# Altium PCB PCB1.PcbDoc (part 3 of 3)
Units mil, origin at the board's own origin, x right, y up, seen from the top; angles counter-clockwise.
Board outline 4795 x 5413.32 mil, 4 copper layers (Top Layer, GND, PWR, Bottom Layer), stack 13.956 mil thick; 198 components, 204 nets, 874 pads, 430 vias.
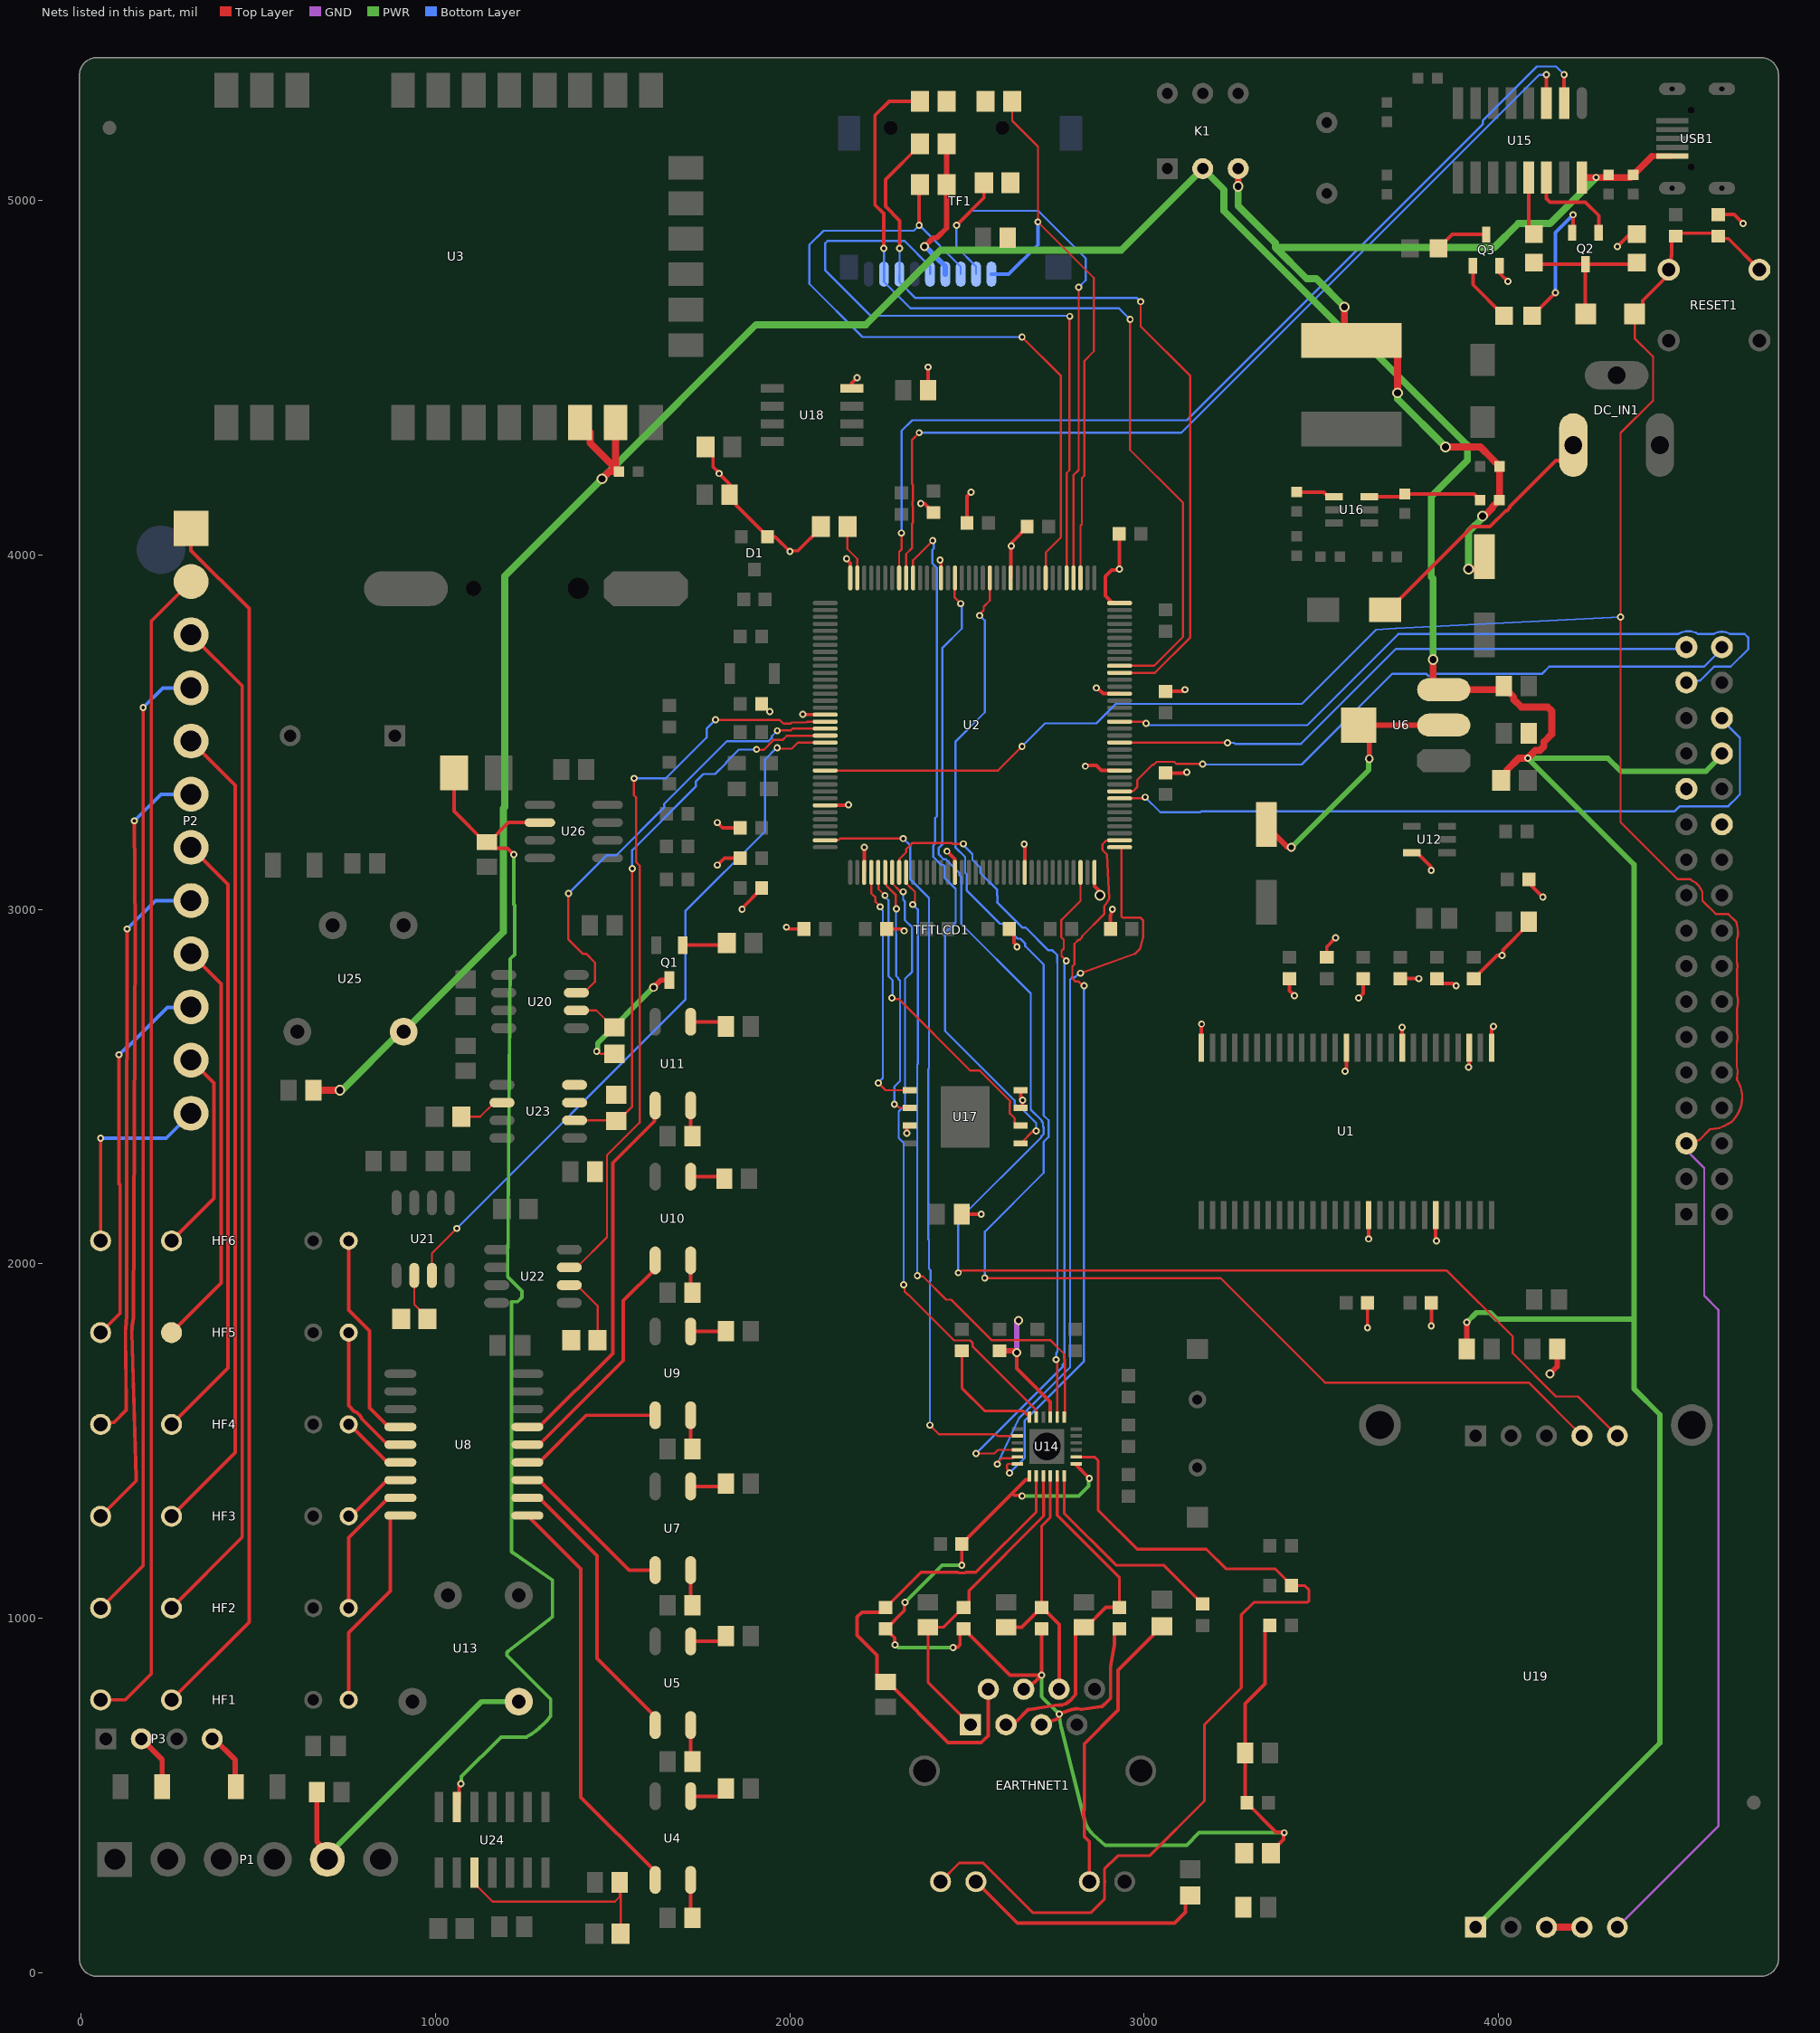
[diagram p5: the nets of this part, all layers, seen from the top]

## Via types
v1: diameter 20, hole 10, Top Layer to Bottom Layer, 249 vias
v2: diameter 20, hole 12, Top Layer to Bottom Layer, 129 vias
v3: diameter 30, hole 20, Top Layer to Bottom Layer, 41 vias
v4: diameter 25, hole 15, Top Layer to Bottom Layer, 10 vias
v5: diameter 20, hole 13, Top Layer to Bottom Layer, 1 vias

## Nets (pads, with @x,y where several pads share a name; then routed paths per layer and width w, separated by ;. In a path a pad name is that pad's centre, name@x,y a point inside that pad or via, vN(x,y) a via of type N, cw(c..) or ccw(c..) an arc to the next point about the centre after c; other vN are vias at no path point) (continued)
NetC75_2: C75.2 R56.2 U24.3 | length 653.4
  Top Layer w6: U24.3@1110,282.48 1110,251.97 1160.89,201.08 1506.08,201.08 1520.04,215.04 1520.04,252.64 C75.2@1520.04,255 1522.4,252.64 1522.4,215.04 R56.2@1522.4,110
NetD3_2: D3.2 Q2.3 R27.1 R32.1 | length 434.7
  Top Layer w10: R32.1@4100,4825 4104.29,4820.71 Q2.3@4245,4820.71 ; D3.2@4246.1,4680 4245,4681.1 Q2.3@4245,4820.71 ; R27.1@4390,4825 4385.71,4820.71 Q2.3@4245,4820.71
NetD4_1: D4.1 DC_IN1.1 | length 731.7
  Top Layer w10: D4.1@3680,3845 3690.83,3845 3925.83,4080 3975.38,4080 4020.53,4125.15 4023.15,4125.15 4031.85,4133.85 4031.85,4136.47 4161.76,4266.38 4178.57,4266.38 4210.91,4298.71 DC_IN1.1@4210.91,4310
NetEARTHNET1_10: EARTHNET1.10 R45.2 | length 704.7
  Top Layer w10: EARTHNET1.10@2525,257.09 2642.09,140 3060,140 3060.69,140.69 3085.69,140.69 3110,165 3115.86,170.86 3115.86,203.46 R45.2@3130,217.6
NetEARTHNET1_11: EARTHNET1.11 R46.2 | length 819.2
  Top Layer w10: EARTHNET1.11@2845,257.09 2845,369.53 2831,383.53 2831,431.76 2830.06,437.89 cw(c2909.96,450) 2830.08,462.22 2831,468.24 2831,646 2926.06,741.06 2926.06,853.66 3026.06,953.66 3026.06,957.01 3046.65,977.6 R46.2@3050,977.6
NetHF1_1: HF1.1 U8.18 | length 593.4
  Top Layer w10: HF1.1@755,770 755,960 872.4,1077.4 872.4,1283.71 878.69,1290 U8.18@900.87,1290
NetHF2_1: HF2.1 U8.17 | length 391
  Top Layer w10: HF2.1@755,1029 755,1227.6 867.4,1340 U8.17@900.87,1340
NetHF3_1: HF3.1 U8.16 | length 188.1
  Top Layer w10: HF3.1@755,1288 761.72,1288 863.72,1390 U8.16@900.87,1390
NetHF4_1: HF4.1 U8.15 | length 190.2
  Top Layer w10: HF4.1@755,1547 757.7,1547 864.7,1440 U8.15@900.87,1440
NetHF5_1: HF5.1 U8.14 | length 398.2
  Top Layer w10: HF5.1@755,1806 755,1600 770.75,1584.25 cw(c755,1547) 792.25,1562.75 865,1490 U8.14@900.87,1490
NetHF6_1: HF6.1 U8.13 | length 605
  Top Layer w10: HF6.1@755,2065 755,1870 813.84,1811.16 813.84,1593.56 867.4,1540 U8.13@900.87,1540
NetP3_2: P3.2 R59.2 | length 159.3
  Top Layer w15: P3.2@170,660 228.66,601.34 R59.2@228.66,525
NetP3_4: P3.4 R58.2 | length 176.9
  Top Layer w15: P3.4@370.94,664.06 435,600 R58.2@435,513.66
NetQ1_1: Q1.1 R10.2 | length 127.6
  Top Layer w10: Q1.1@1697.4,2899.21 1816.81,2899.21 R10.2@1822.6,2905
NetQ2_1: Q2.1 U15.14 | length 275.3
  Top Layer w10: U15.14@4135,5065 4135,5005 4145,4995 4245,4995 4282.4,4957.6 Q2.1@4282.4,4909.29
NetQ2_2: Q2.2 R39.2 | length 384.3
  Top Layer w10: R39.2@4095,4675 v1(4160,4740) ; Q2.2@4207.6,4909.29 4210,4911.69 v1(4210,4960)
  Bottom Layer w10: v1(4160,4740) 4160,4910 v1(4210,4960)
NetQ3_1: Q3.1 R39.1 | length 176.9
  Top Layer w10: Q3.1@3927.6,4815.71 3927.6,4762.4 R39.1@4015,4675
NetQ3_3: Q3.3 R40.2 | length 151.3
  Top Layer w10: R40.2@3830,4865 3869.29,4904.29 Q3.3@3965,4904.29
NetR11_2: R11.2 U4.1 | length 111.4
  Top Layer w10: U4.1@1720,498.11 1802.13,498.11 1819.96,515.94 R11.2@1819.96,520
NetR12_1: R12.1 U4.4 | length 109
  Top Layer w10: U4.4@1720,261.89 1720,160.04 R12.1@1725.04,155
NetR13_2: R13.2 U5.1 | length 106.1
  Top Layer w10: U5.1@1720,935.11 1805.07,935.11 R13.2@1819.96,950
NetR14_1: R14.1 U5.4 | length 105
  Top Layer w10: U5.4@1720,698.89 1720,601.04 R14.1@1725.04,596
NetR15_2: R15.2 U7.1 | length 103.2
  Top Layer w10: U7.1@1720,1372.11 1812.07,1372.11 R15.2@1819.96,1380
NetR16_1: R16.1 U7.4 | length 101
  Top Layer w10: U7.4@1720,1135.89 1720,1042.04 R16.1@1725.04,1037
NetR18_2: R18.2 U9.1 | length 100.3
  Top Layer w10: U9.1@1720,1809.11 1819.07,1809.11 R18.2@1819.96,1810
NetR19_1: R19.1 U9.4 | length 97
  Top Layer w10: U9.4@1720,1572.89 1720,1483.04 R19.1@1725.04,1478
NetR20_2: R20.2 U2.143 | length 141.2
  Top Layer w6: R20.2@2162.4,4065 2162.4,4016.82 2190.2,3989.03 U2.143@2190.2,3935.35
NetR22_2: R22.2 U10.1 | length 102.5
  Top Layer w10: U10.1@1720,2246.11 1813.85,2246.11 R22.2@1819.96,2240
NetR23_1: R23.1 U10.4 | length 93
  Top Layer w10: U10.4@1720,2009.89 1720,1924.04 R23.1@1725.04,1919
NetR24_2: R24.2 U11.1 | length 105.4
  Top Layer w10: U11.1@1720,2683.11 1806.85,2683.11 R24.2@1819.96,2670
NetR25_1: R25.1 U11.4 | length 89
  Top Layer w10: U11.4@1720,2446.89 1720,2365.04 R25.1@1725.04,2360
NetR26_2: R26.2 U20.2 | length 127.4
  Top Layer w6: U20.2@1397.36,2715 1454.06,2715 1501.65,2667.4 R26.2@1505,2667.4
NetR28_2: R28.2 U14.12 | length 329.6
  Top Layer w8: R28.2@2485,1754.68 2485.29,1754.39 2485.29,1649.71 2550,1585 2658.51,1585 U14.12@2675.79,1567.72
NetR32_2: R32.2 U15.13 | length 166.2
  Top Layer w10: U15.13@4085,5065 4085,4920 R32.2@4100,4905
NetR35_1: R35.1 R41.2 U16.3 | length 322.5
  Top Layer w10: U16.3@3635,4164.8 3727.8,4164.8 R35.1@3735,4172 3930.56,4172 R41.2@3947.5,4155.06
NetR36_2: R36.2 U16.4 | length 110.2
  Top Layer w10: R36.2@3430.06,4177.5 3507.3,4177.5 3520,4164.8 U16.4@3535,4164.8
NetR42_2: R42.2 U14.24 | length 603.1
  Top Layer w8: U14.24@2774.21,1402.28 2774.21,1295.79 2920,1150 3054.33,1150 3164.02,1040.32 R42.2@3165,1040.32
NetR49_2: R49.2 U21.2 | length 138.1
  Top Layer w6: U21.2@940,1967.64 940,1885.75 977.4,1848.35 R49.2@977.4,1845
NetR51_2: R51.2 U22.2 | length 200.8
  Top Layer w6: U22.2@1377.36,1940 1399.02,1940 1457.4,1881.61 R51.2@1457.4,1785
NetR53_2: R53.2 U23.2 | length 131.8
  Top Layer w6: R53.2@1072.4,2415 1125.98,2415 1165.98,2455 U23.2@1187.64,2455
NetU4_3: U4.3 U8.1 | length 1177.6
  Top Layer w10: U8.1@1259.13,1290 1410,1139.13 1410,495.51 1620,285.51 U4.3@1620,261.89
NetU5_3: U5.3 U8.2 | length 810.2
  Top Layer w10: U8.2@1259.13,1340 1292.6,1340 1455.55,1177.05 1455.55,886.97 1620,722.51 U5.3@1620,698.89
NetU7_3: U7.3 U8.3 | length 466.1
  Top Layer w10: U8.3@1259.13,1390 1292.6,1390 1546.71,1135.89 U7.3@1620,1135.89
NetU8_4: U8.4 U9.3 | length 415.9
  Top Layer w10: U8.4@1259.13,1440 1292.6,1440 1425.49,1572.89 U9.3@1620,1572.89
NetU8_5: U8.5 U10.3 | length 689
  Top Layer w10: U8.5@1259.13,1490 1292.6,1490 1530,1727.4 1530,1896.27 1620,1986.27 U10.3@1620,2009.89
NetU8_6: U8.6 U11.3 | length 1076
  Top Layer w10: U8.6@1259.13,1540 1292.6,1540 1500,1747.4 1500,2285 1617.39,2402.39 1617.39,2444.28 U11.3@1620,2446.89
REF-4.096V: C80.1 C81.2 U24.13 U26.6 | length 3557.2
  Top Layer w10: C80.1@1052.01,3385 1052.01,3276.93 1138.9,3190.04 C81.2@1145,3190.04 1151.1,3190.04 1206.06,3245 U26.6@1294.53,3245 ; U24.13@1060,467.52 1066.81,474.33 1066.81,526.25 1071.43,530.86 v1(1071.43,533.57) ; C81.2@1148.05,3186.99 1162.83,3172.2 1196.85,3172.2 1197.62,3171.43 1204.7,3171.43 v1(1221.13,3155)
  PWR w6: 1211,2859.78 ccw(c1185,2860) 1210.99,2860.6
  PWR w10: v1(1071.43,533.57) 1073.34,535.48 1073.34,553.34 1185,665 1256.57,665 ccw(c1146.53,861.88) 1325,723.97 1325,771.57 1201.42,895.15 1201.42,903.44 1204.79,906.81 1205.29,907.19 1307.71,986.69 ccw(c630.96,1858.63) 1330,1004.45 1330,1107.75 1218.57,1184.64 1217.93,1185.28 1215,1188.21 1215,1893.28 1231.83,1893.28 1244.13,1905.58 1244.13,1922.98 1205.38,1961.72 1203.63,1963.48 1203.63,1968.45 1211,2859.78 ; 1210.99,2860.6 1223.62,2873.23 1223.62,3011.51 1221.13,3014.01 v1(1221.13,3155)
Relay1+: HF1.3 P2.1 | length 3463.9
  Top Layer w10: HF1.3@255,770 474.25,989.25 474.25,3848.73 310,4012.98 P2.1@310,4075
Relay1-: HF1.4 P2.2 | length 3301.6
  Top Layer w10: HF1.4@55,770 125,770 198,843 198,3813 P2.2@310,3925
Relay2+: HF2.3 P2.3 | length 2888.4
  Top Layer w10: HF2.3@255,1029 454.4,1228.4 454.4,3630.6 P2.3@310,3775
Relay2-: HF2.4 P2.4 | length 2748.5
  Top Layer w10: HF2.4@55,1029 175,1149 v1(175,3570)
  Bottom Layer w10: v1(175,3570) 230,3625 P2.4@310,3625
Relay3+: HF3.3 P2.5 | length 2313
  Top Layer w10: HF3.3@255,1288 434.55,1467.55 434.55,3350.45 P2.5@310,3475
Relay3-: HF3.4 P2.6 | length 2195
  Top Layer w10: HF3.4@55,1288 152.07,1385.07 155,1388 155,1396.28 143.14,1807.76 cw(c225,1810.12) 144.06,1822.63 148,1848.09 153,2920.47 153,2939.53 v1(150,3250)
  Bottom Layer w10: v1(150,3250) 225,3325 P2.6@310,3325
Relay4+: HF4.3 P2.7 | length 1737.5
  Top Layer w10: HF4.3@255,1547 414.7,1706.7 414.7,3070.3 P2.7@310,3175
Relay4-: HF4.4 P2.8 | length 1660.8
  Top Layer w10: HF4.4@55,1547 60.49,1552.49 92.49,1552.49 127.07,1587.07 127.07,1595.36 125.13,1807.93 cw(c225,1810.12) 125.37,1817.37 128,1853.54 128,2575.47 130,2577.47 130,2944.95 v1(129.95,2945)
  Bottom Layer w10: v1(129.95,2945) 209.95,3025 P2.8@310,3025
Relay5+: HF5.3 P2.9 | length 1162.1
  Top Layer w10: HF5.3@255,1806 394.85,1945.85 394.85,2790.15 P2.9@310,2875
Relay5-: HF5.4 P2.10 | length 1066.9
  Top Layer w10: HF5.4@55,1806 110,1861 110,2222.65 107,2225.65 v1(107,2590)
  Bottom Layer w10: v1(107,2590) 126.71,2609.71 129.71,2609.71 243.08,2723.08 308.08,2723.08 P2.10@310,2725
Relay6+: HF6.3 P2.11 | length 586.6
  Top Layer w10: HF6.3@255,2065 375,2185 375,2510 P2.11@310,2575
Relay6-: HF6.4 P2.12 | length 574
  Top Layer w10: HF6.4@55,2065 v1(55,2355)
  Bottom Layer w10: v1(55,2355) 240,2355 P2.12@310,2425
RESET: C35.1 D3.1 R21.1 RESET1.1 TFTLCD1.5 U2.25 U19.5@4335,128.41 | length 7999.3
  Top Layer w6: U2.25@2099.65,3392.05 2587.05,3392.05 v1(2655,3460) ; D3.1@4383.9,4680 4383.9,4611.1 4435.8,4559.2 4435.8,4435.8 4344,4344 v1(4344,3825) 4344,3246 4504.75,3085.25 4541.76,3085.25 4545.47,3081.55 4546.31,3080.7 cw(c4530,3040) 4568.29,3061.36 4575,3049.4 4575,3025 4613,2987 4648,2987 4669.43,2965.57 4670.7,2964.3 4671.07,2962.53 4674.72,2944.79 cw(c4631.76,2936) 4675.55,2933.67 cw(c4598.95,2937.75) 4672,2914.35 4672,2853.45 4672.82,2849.47 4672.93,2848.93 cw(c4630,2840) 4672.85,2830.7 4672.85,2760.65 4673.69,2755.65 cw(c4580.63,2740) 4673.69,2724.35 4672.85,2719.34 4672.85,2649.3 cw(c4630,2640) 4673.53,2634.73 4672.87,2629.16 cw(c4653.27,2627.55) 4672,2621.55 4672,2557.91 4674.65,2545.05 4674.65,2544.21 4674.63,2543.99 4673.09,2523.06 4673.09,2520.55 4673.09,2518.82 cw(c4597.17,2470.17) 4674.23,2423.36 4667.48,2412.23 cw(c4630,2435) 4650.14,2396.05 4638.58,2390.07 cw(c4597.17,2470.17) 4597.12,2380 ; TFTLCD1.5@4530,2340 4538.75,2348.75 4565.82,2348.75 4597.07,2380
  Top Layer w10: D3.1@4383.9,4680 4406.53,4702.63 4406.53,4717.63 4480,4791.1 RESET1.1@4480,4805 4486.6,4811.6 4486.6,4843.46 4488.2,4845.06 4488.2,4887.88 4508.2,4907.88 4611.8,4907.88 4627.21,4892.47 4648.43,4892.47 RESET1.1@4735.91,4805
  GND w6: v1(4335,128.41) 4620,413.41 4620,1870.44 4580,1910.44 4580,2270.18 4530,2320.18 TFTLCD1.5@4530,2335
  Bottom Layer w6: v1(2655,3460) 2720,3525 2865,3525 2920,3580 3445,3580 3654.24,3789.24 3710.44,3792.85 v1(4344,3825)
RMII-CRS-DV: U2.43 U14.11 | length 1768.5
  Top Layer w6: U2.43@2288.62,3104.65 2288.62,3073.72 2309.97,3052.38 2317.02,3052.38 v1(2319.7,3049.7) ; v1(2321.04,1941.04) 2323.72,1938.36 2323.72,1922.1 2331.86,1913.96 2333.2,1913.96 2463.17,1783.99 2508.85,1783.99 2515.29,1777.55 2515.29,1767.27 2693.71,1588.86 2693.71,1586.29 2695.47,1584.53 U14.11@2695.47,1567.72
  Bottom Layer w6: v1(2319.7,3049.7) 2319.7,3027.41 2323.85,3023.26 2323.85,2970.36 2345.07,2949.14 2345.07,2824.57 2325,2804.5 2325,2447.69 2307.15,2429.84 2307.15,2355.16 2321.04,2341.28 v1(2321.04,1941.04)
RMII-REF-CLK: U2.35 U14.14 | length 2171.3
  Top Layer w6: U2.35@2099.65,3195.2 2100.43,3195.98 2137,3195.98 2141.03,3200 v1(2320,3200) ; v1(2395,1545) 2420.68,1519.32 2581.19,1519.32 2585.98,1514.53 U14.14@2642.28,1514.53
  Bottom Layer w6: v1(2320,3200) 2340,3180 2340,3085 2392.62,3032.38 2392.62,2551.69 2390.9,2549.97 2390.9,2069.29 2392.62,2067.57 2392.62,1986.2 2396.85,1981.97 2396.85,1952.98 2395,1951.13 v1(2395,1545)
RMII-RXD0: U2.44 U14.8 | length 1985.8
  Top Layer w6: U2.44@2308.31,3104.65 2309.09,3105.43 2309.09,3142.12 2328.07,3161.1 2328.07,3170.1 2345.08,3187.11 2457.4,3187.11 2459.52,3185 v1(2489.7,3185) ; v1(2751.57,1729.9) 2754.16,1727.31 2754.16,1568.09 U14.8@2754.53,1567.72
  Bottom Layer w6: v1(2489.7,3185) 2489.7,3181.3 2515,3156 2515,3140 2537.5,3117.5 2537.5,3102.5 2585,3055 2585,3039.5 2585.9,3038.6 2585.9,3021.2 2585,3020.3 2585,3019.8 2655.8,2949 2665.3,2949 2729.78,2884.52 2740.89,2884.52 2754.27,2871.13 2754.27,2850.73 2755,2850 2755,1751.9 2752,1748.9 2752,1730.33 v1(2751.57,1729.9)
RMII-RXD1: U2.45 U14.7 | length 1843.3
  Top Layer w6: U2.45@2327.99,3104.65 2327.99,3073.72 2341.5,3060.21 2342.1,3060.21 2352.85,3049.46 2352.85,3023.73 2346.7,3017.58 v1(2346.7,3013.79) ; v1(2359.9,1966.8) 2361.84,1964.87 2375.13,1964.87 2441,1899 2454.83,1899 2568.83,1785 2735,1785 2774.71,1745.29 2774.71,1731.82 2776,1730.53 2776,1569.51 U14.7@2774.21,1567.72
  Bottom Layer w6: v1(2346.7,3013.79) 2360.92,2999.58 2360.92,2564.82 2359.2,2563.1 2359.2,1967.51 v1(2359.9,1966.8)
RMII-TX-EN: U2.70 U14.16 | length 1900.7
  Top Layer w6: v1(2525,1465) 2577,1465 2587.16,1475.16 U14.16@2642.28,1475.16 ; v1(2780,2855) 2766.35,2868.65 2766.35,2882.68 2772.89,2889.22 2772.89,2914.27 2766.01,2921.15 2766.01,2970.13 2820.12,3024.24 U2.70@2820.12,3104.65
  Bottom Layer w6: v1(2525,1465) 2575.02,1515.02 2770,1710 2770,1716.39 2774.8,1721.19 2774.8,1738.59 2774.44,1738.94 2774.44,2845.66 2780,2851.21 v1(2780,2855)
RMII-TXD0: U2.73 U14.17 | length 2075.8
  Top Layer w6: v1(2585,1435) 2585,1438.79 2597.85,1451.64 2627.61,1451.64 2631.45,1455.47 U14.17@2642.28,1455.47 ; v1(2820,2820) 2974.21,2875.05 2987.6,2888.43 2996.47,2920.39 2996.47,2969.61 2988.94,2977.14 2938.99,2977.14 2935.47,2980.66 2935.47,2983.31 2935.47,3175.51 U2.73@2930.35,3175.51
  Bottom Layer w6: v1(2585,1435) 2646.94,1564.52 2790.65,1708.23 2790.65,2801.74 2797.51,2808.6 2804.82,2808.6 2816.21,2820 v1(2820,2820)
RMII-TXD1: U2.74 U14.18 | length 2039.8
  Top Layer w6: v1(2620,1410) 2620,1413.79 2612.52,1421.27 2612.52,1432.27 2616.04,1435.79 U14.18@2642.28,1435.79 ; v1(2830,2785) 2826.21,2785 2814.74,2796.47 2806.36,2796.47 2797.15,2805.69 2797.15,2839.84 2802.85,2845.54 2802.85,2902.85 2814.71,2914.71 2818.18,2914.71 2824.62,2921.15 2824.62,2924.62 2885.45,2985.45 2887.15,2987.15 2887.15,3009.46 2897.41,3023.74 ccw(c2874.79,3039.99) 2901.26,3031.34 2895.01,3154.59 2893.38,3156.22 2881.92,3167.68 2881.92,3183.34 2893,3194.42 U2.74@2930.34,3195.2
  Bottom Layer w6: v1(2620,1410) 2662.79,1452.79 2662.79,1557.96 2830,1725.17 v1(2830,2785)
SDIO-CLK: TF1.5 U2.113 | length 1912.1
  Top Layer w6: U2.113@2780.75,3935.35 2781,3935.61 2781,4231.25 2789,4239.25 2789,4672.15 v1(2790,4673.15)
  Bottom Layer w6: TF1.5@2395.47,4792.36 2395.47,4814.02 2323.49,4886 2106,4886 2100,4880 2100,4802.59 2227.59,4675 2788.15,4675 v1(2790,4673.15)
SDIO-CMD: R2.1 TF1.3 U2.116 | length 2150.1
  Top Layer w6: v1(2655,4615) 2765,4505 2765,4050 2722.47,4007.47 2722.47,3936.13 U2.116@2721.69,3935.35
  Top Layer w10: v1(2365,4930) 2365,5042.4 R2.1@2367.6,5045
  Bottom Layer w6: v1(2365,4930) 2350,4915 2095,4915 2055,4875 2055,4764.82 2204.82,4615 v1(2655,4615) ; v1@2365.55,4930 2482.09,4813.46 TF1.3@2482.09,4792.36
SDIO-D0: R6.1 TF1.7 U2.98 | length 2397.4
  Top Layer w6: U2.98@2930.35,3667.64 3030.05,3667.64 3130,3767.58 3130,4505 2990,4645 v1(2990,4715)
  Top Layer w10: v1(2310,4865) 2310,4943.38 2270,4983.38 2270,5059.06 2367.6,5156.65 R6.1@2367.6,5160
  Bottom Layer w6: v1(2310,4865) 2309.43,4864.43 2309.43,4792.93 TF1.7@2308.86,4792.36 2308.86,4770.71 2354.57,4725 2979.49,4725 2989.49,4715 v1(2990,4715)
SDIO-D1: R5.1 TF1.8 U2.99 | length 2532.5
  Top Layer w6: U2.99@2930.35,3687.32 3027.32,3687.32 3109,3769 3109,4147.61 2960,4296.61 v1(2960,4665)
  Top Layer w10: v1(2265,4865) 2265,4962.92 2240,4987.92 2240,5240 2280,5280 R5.1@2367.6,5280
  Bottom Layer w6: v1(2265,4865) 2265.28,4864.72 2265.28,4792.64 TF1.8@2265.55,4792.36 2265.55,4770.71 2340.26,4696 2929,4696 v1(2960,4665)
SDIO-D2: R4.1 TF1.1 U2.111 | length 1680.9
  Top Layer w6: R4.1@2627.4,5280 2627.4,5224.77 2700,5152.17 v1@2700,4945 ; v1(2699.63,4939.76) 2858,4781.39 2858,4574.63 2830.85,4547.48 2830.85,4223.52 2823.9,4216.58 2823.9,4086.43 2820,4082.53 U2.111@2820,3935.35
  Bottom Layer w10: TF1.1@2568.7,4792.36 2617.36,4792.36 2699.63,4874.63 v1(2699.63,4939.76)
SDIO-D3: R3.1 TF1.2 U2.112 | length 1666.2
  Top Layer w6: U2.112@2800.43,3935.35 2800.43,4056.11 2800.35,4056.19 2800.35,4088.34 2800.43,4088.42 2800.43,4225.43 2815,4240 v1(2815,4755)
  Top Layer w10: v1(2470,4930) 2547.6,5007.6 R3.1@2547.6,5050
  Bottom Layer w6: TF1.2@2525.39,4792.36 2525.39,4814.02 2470,4869.41 v1(2470,4930) 2511,4971 2700.91,4971 2835,4836.91 2835,4775 v1(2815,4755)
SPEED-LED: EARTHNET1.9 R38.1 U14.2 | length 2706.2
  Top Layer w8: EARTHNET1.9@2425.16,257.09 2478.07,310 2545,310 2685,170 2850,170 2887.53,207.53 2887.53,247.78 2888.01,251.44 ccw(c2845,257.09) 2888.01,262.74 2887.53,266.39 2887.53,292.53 2925,330 3015,330 3170,485 3170,700 3274,804 3274,1009.8 3309.2,1045 3460.31,1045 3465,1049.69 3465,1080 3452.5,1092.5 R38.1@3415.31,1092.5 3415.31,1093.48 3368.8,1140 3230,1140 3175,1195 2980,1195 2870,1305 2870,1444.93 2860.22,1454.71 2808.49,1454.71 U14.2@2807.72,1455.47
SPI1-CLK: U2.41 U17.6 | length 915.1
  Top Layer w6: U2.41@2249.25,3104.65 2250.36,3103.53 2250.36,3057.25 v1(2268.26,3039.35) ; v1(2288.15,2750) 2290.83,2747.32 2307.04,2747.32 2509.36,2545 2536.07,2545 2621.75,2459.32 2621.75,2454.35 2620.81,2453.41 2620.81,2424.19 2634.81,2410.19 2634.81,2395.86 2640.67,2390 U17.6@2651.5,2390
  Bottom Layer w6: v1(2268.26,3039.35) 2268.26,3035.56 2278.15,3025.68 2278.15,2811.75 2290,2799.9 2290,2751.85 v1(2288.15,2750)
SPI1-MISO: U2.42 U17.2 | length 727.7
  Top Layer w6: U2.42@2268.94,3104.65 2268.94,3073.55 2272.77,3069.71 2272.77,3067.16 2298.32,3041.61 2298.32,3003.98 v1(2301,3001.3) ; v1(2295,2450) 2298.79,2450 2308.79,2440 U17.2@2338.5,2440
  Bottom Layer w6: v1(2295,2450) 2295,2500.3 2311,2516.3 2311,2798.7 2305.85,2803.85 2305.85,2806.46 2300,2812.31 2300,2930.3 2299.37,2930.93 2299.37,2999.67 v1(2301,3001.3)
SPI1-MOSI: U2.135 U17.5 | length 2017.7
  Top Layer w6: U2.135@2347.68,3935.35 2347.68,3984.99 v1(2403.22,4040.54) ; U17.5@2651.5,2340 2686.5,2375 v1(2695,2375)
  Bottom Layer w6: v1(2403.22,4040.54) 2405.9,4037.86 2405.9,4024.26 2406.65,4023.51 2406.65,4018.54 2402.5,4014.39 2402.5,3975.98 2414.77,3963.72 2414.77,3262.87 2410,3258.11 2410,3185.84 2404.45,3180.29 2404.45,3148.23 2427.12,3125.56 2433.49,3125.56 2437,3122.05 2437,3088.5 2467.85,3057.65 2467.85,2963.76 2437.45,2933.36 2437.45,2657.75 2634,2461.2 2634,2451.3 2646.3,2439 2653.58,2439 2695,2397.58 v1(2695,2375)
SPI1-NSS: U2.40 U17.1 | length 710.1
  Top Layer w6: U2.40@2229.57,3104.65 2229.57,3045.73 2241.72,3033.58 2241.72,3021.31 2254.81,3008.22 v1(2254.81,3007.54) ; v1(2250,2510) 2270,2490 U17.1@2338.5,2490
  Bottom Layer w6: v1(2250,2510) 2250,2512.27 2262.3,2524.57 2262.3,2996.26 2254.81,3003.75 v1(2254.81,3007.54)
SPI5-MISO: R54.1 U2.20 U23.6 | length 1593.3
  Top Layer w6: U23.6@1392.36,2405 1507.6,2405 R54.1@1510,2402.6 1513.35,2402.6 1555,2444.25 v1(1555,3115) ; v1(1905.76,3451.55) 1907.31,3450 1926.09,3450 1954.74,3478.65 1980.36,3478.65 1991.4,3489.69 2098.87,3489.69 U2.20@2099.65,3490.47
  Bottom Layer w6: v1(1555,3115) 1555,3167.2 1735,3347.2 1735,3361.49 1755.53,3382.02 1789.22,3382.02 1820,3412.8 1820,3415 1856,3451 1905.21,3451 v1(1905.76,3451.55)
SPI5-MOSI: U2.21 U21.3 | length 2036.3
  Top Layer w6: U21.3@990,1967.64 990,2030 v1(1060,2100) ; v1(1964.2,3455.8) 1966.66,3453.34 2005.05,3453.34 2022.5,3470.79 U2.21@2099.65,3470.79
  Bottom Layer w6: v1(1060,2100) 1705,2745 1705,2995 1930,3220 1930,3423.22 1962.58,3455.8 v1(1964.2,3455.8)
SPI5-NSS: U2.18 U22.3 | length 2111.5
  Top Layer w6: U22.3@1377.36,1990 1399.02,1990 1484,2074.98 1484,2306.51 1576,2398.51 1576,3123.7 1566.48,3133.22 1566.48,3315.51 1560,3321.99 v1(1560,3370) ; v1(1790,3535) 1970.69,3535 1980.84,3524.85 1982.46,3524.85 1983.31,3524 2001.7,3524 2005.31,3527.61 2046.36,3527.61 2048.6,3529.84 2098.87,3529.84 U2.18@2099.65,3529.06
  Bottom Layer w6: v1(1560,3370) 1650,3370 1765,3485 1765,3510 v1(1790,3535)
SPI5-SCK: U2.19 U20.3 | length 1276.9
  Top Layer w6: v1(1375,3045) 1375,2915 1415,2875 1425,2875 1450,2850 1450,2795.98 1419.02,2765 U20.3@1397.36,2765 ; v1(1964.45,3504.07) 1965.92,3505.54 2003.04,3505.54 2007.65,3510.16 U2.19@2099.65,3510.16
  Bottom Layer w6: v1(1375,3045) 1482.62,3152.62 1509.81,3152.62 1644.93,3287.73 1644.93,3297.13 1822.21,3474.4 1939.4,3474.4 1948.89,3483.89 1948.89,3488.51 v1(1964.45,3504.07)
T-CS: TFTLCD1.33 U2.88 | length 1712.2
  Top Layer w6: U2.88@2930.35,3470.79 2930.75,3470.39 v1(3234.61,3470.39)
  Bottom Layer w6: v1(3234.61,3470.39) 3235,3470 3253.61,3470 3256.61,3467 3442,3467 3710,3735 TFTLCD1.33@4530,3735
T-MOSI: TFTLCD1.30 U2.80 | length 2022.4
  Top Layer w6: U2.80@2930.35,3313.31 2990.37,3313.31 2990.89,3313.83 2999.96,3313.83 v1(3002.64,3316.51)
  Bottom Layer w6: v1(3002.64,3316.51) 3045.15,3274 3158.23,3274 3161.31,3277.08 4497.08,3277.08 4511.15,3291.15 4648.16,3291.15 4673.85,3316.84 4673.85,3317.36 4681,3324.51 4681,3484 TFTLCD1.30@4630,3535
T-PEN: TFTLCD1.31 U2.91 | length 2143
  Top Layer w6: U2.91@2930.35,3529.84 2996.37,3529.84 3001.21,3525 v1(3005,3525)
  Bottom Layer w6: v1(3005,3525) 3010,3520 3460,3520 3717,3777 4506.47,3777 cw(c4530,3740) 4517.74,3782.1 4520.68,3782.96 cw(c4535,3733.79) 4562.48,3777 4604.78,3777 4606.47,3777 cw(c4630,3740) 4653.53,3777 4655.22,3777 4694.48,3777 4705,3766.49 4705,3735 4655,3685 4607.88,3685 4568.59,3645.72 4540.72,3645.72 TFTLCD1.31@4530,3635
T-SCK: TFTLCD1.34 U2.81 | length 1889
  Top Layer w6: U2.81@2930.35,3332.99 2931.13,3333.77 2968.77,3333.77 2980,3345 2980,3365 3023.15,3408.15 3027.06,3408.15 3035.39,3416.47 3084.61,3416.47 3090.09,3411 3164,3411 v1(3165,3410)
  Bottom Layer w6: v1(3165,3410) 3166,3409 3444,3409 3700,3665 3795.3,3665 3801.3,3659 3818.7,3659 3824.7,3665 4122.96,3665 4142.96,3685 4580,3685 TFTLCD1.34@4630,3735
TPRX+: C68.2 EARTHNET1.3 R31.1 U14.23 | length 996.9
  Top Layer w8: U14.23@2754.53,1402.28 2754.53,1290.47 2930.3,1114.7 R31.1@2930.3,1030.75
  Top Layer w10: EARTHNET1.3@2609.8,700 2619.37,709.57 2639.57,709.57 2669.89,739.88 2672.16,742.16 2675.34,742.68 2749.71,754.85 2761.06,755.17 ccw(c2759.8,800) 2794.27,771.31 2805.96,785.35 2805.96,956.81 2823.8,974.65 C68.2@2829.9,974.65 2836,974.65 2892.1,1030.75 R31.1@2930.3,1030.75
TPRX-: C69.2 EARTHNET1.6 R33.1 U14.22 | length 757.7
  Top Layer w8: R33.1@2710.2,1030.75 2710.2,1260.2 2735,1285 2735,1402.12 U14.22@2734.84,1402.28
  Top Layer w10: C69.2@2609.8,974.65 2653.73,974.65 2695.91,1016.82 2695.91,1017.44 2709.22,1030.75 R33.1@2710.2,1030.75 2711.19,1030.75 2759.8,982.13 EARTHNET1.6@2759.8,800
TPTX+: C66.2 EARTHNET1.1 R29.1 U14.21 | length 914.2
  Top Layer w8: EARTHNET1.1@2509.8,700 2389.7,820.11 C66.2@2389.7,974.65 2433.01,974.65 2489.12,1030.75 R29.1@2490.1,1030.75 2491.09,1030.75 2505.39,1045.06 2505.39,1078.02 2716.19,1288.81 2716.19,1339.54 2715.16,1340.57 U14.21@2715.16,1402.28
TPTX-: C67.2 EARTHNET1.2 R30.1 U14.20 | length 1451.6
  Top Layer w8: R30.1@2270.98,1030.75 2370.24,1130 2473.89,1130 2475.89,1128 2494.11,1128 2496.11,1130 2525,1130 2695,1300 2695,1401.8 U14.20@2695.47,1402.28
  Top Layer w10: R30.1@2270.98,1030.75 2257.68,1017.44 2203.3,1017.44 2190,1004.14 2190,951.97 2246.06,895.91 2246.06,837.87 2263.9,820.04 C67.2@2270,820.04 2276.1,820.04 2446.14,650 2540,650 2545.15,655.15 2545.95,655.15 2559.8,669 EARTHNET1.2@2559.8,800
USART1-RX: U2.136 U15.3 | length 2695.8
  Top Layer w6: U2.136@2327.99,3935.35 2327.99,4003.19 2345,4020.2 2345,4088.91 2347.14,4091.06 2347.14,4138.31 2346.26,4139.2 2346.26,4150.8 2347.14,4151.69 2347.14,4198.94 2345,4201.09 2345,4325 v1(2365,4345)
  Top Layer w10: U15.3@4135,5275 v1(4135,5355)
  Bottom Layer w6: v1(2365,4345) 3104.8,4345 4114.8,5355 v1(4135,5355)
USART1-TX: U2.137 U15.2 | length 2808.6
  Top Layer w6: U2.137@2308.31,3935.35 2308.31,4008.31 2315,4015 v1(2315,4061.85)
  Top Layer w10: U15.2@4185,5275 v1(4185,5355)
  Bottom Layer w6: v1(2315,4061.85) 2315,4350 2345,4380 3120,4380 3955,5215 3955,5225 4108,5378 4162,5378 v1(4185,5355)
USART6-RX: U2.124 U19.4@4235,1515 | length 4089.1
  Top Layer w6: v1(2535.81,3829.19) 2535.81,3832.98 2547.15,3844.32 2547.15,3854.46 2564.21,3871.53 U2.124@2564.21,3935.35 ; v1(2550,1960) 3215,1960 3509.92,1665.08 4084.92,1665.08 U19.4@4235,1515
  Bottom Layer w6: v1(2535.81,3829.19) 2550,3815 2550,3556.16 2466.85,3473.01 2466.85,3175.54 2494.6,3147.79 2494.6,3102.94 2499.55,3097.99 2499.55,3053.14 2593.14,2959.55 2600.42,2959.55 2642.67,2917.3 2650.41,2917.3 2664.15,2903.56 2664.15,2896.63 2716,2844.78 2716,2418.8 2730,2404.8 2730,2358.2 2716,2344.2 2716,2256.74 2550,2090.74 v1(2550,1960)
USART6-TX: U2.129 U19.5@4335,1515 | length 4305
  Top Layer w6: U2.129@2465.79,3935.35 2465,3934.57 2465,3880 v1(2482.29,3862.71) ; v1(2475,1975) 2478.79,1975 2484.79,1981 3854,1981 4040,1795 4040,1747.63 4161.8,1625.83 4224.17,1625.83 U19.5@4335,1515
  Bottom Layer w6: v1(2475,1975) 2475,2123 2710,2358 2710,2360.3 2716,2366.3 2716,2386.31 2714.85,2387.46 ; v1(2482.29,3862.71) 2484.9,3860.1 2484.9,3792.29 2430.62,3738.01 2430.62,3184.04 2420.3,3173.73 2420.3,3154.8 2433.69,3141.41 2440.05,3141.41 2478.75,3102.71 2478.75,3096.37 2483.7,3091.42 2483.7,2958.99 2679.69,2762.99 2679.69,2435.31 2710.85,2404.15 2710.85,2401.53 2714.09,2398.29 2714.09,2388.25 2714.85,2387.49
VBTN: C43.2 C44.2 C45.2 C46.1 K1.3 L1.1 R41.1 U15.16 USB1.1 | length 2948.6
  Top Layer w10: C46.1@3935.47,3960 3960,3984.53 C46.1@3960,3995
  Top Layer w15: 4432.56,5125 USB1.1@4490,5125
  Top Layer w20: v3(3265,5040) K1.3@3265,5090 ; v3(3565,4700) 3565,4644.21 3560.79,4640 3550,4640 L1.1@3585,4605 3670.79,4605 3715,4560.79 3715,4457.32 v3(3715.08,4457.23) ; v3(3850,4305) 3948.46,4305 3981,4272.46 3981,4271.44 C45.2@4002.5,4249.94 R41.1@4002.5,4155.5 ; v3(3915,3960) C46.1@3935.47,3960 ; v3(3955,4109.85) 3956.91,4111.76 3961.76,4111.76 3982.35,4132.35 3982.35,4135.35 R41.1@4002,4155 ; U15.16@4235,5065 v1(4275,5065) 4372.56,5065 C43.2@4380.06,5072.5 4432.56,5125
  PWR w20: v3(3265,5040) 3265,4985 3370,4880 3370,4867.87 ; v3(3565,4700) 3485.14,4779.86 3458,4779.86 3370,4867.87 ; v3(3715.08,4457.23) 3715.22,4457.1 3715.22,4439.78 v3(3850,4305) ; v3(3915,3960) 3915,4065 3918.53,4068.53 3918.53,4068.89 3955,4105.36 v3(3955,4109.85) ; v1(4275,5065) 4145,4935 4055,4935 3987.87,4867.87 3370,4867.87
VCC-1: C7.2 C8.2 C9.2 C10.2 C11.2 C12.2 C13.2 C16.2 C17.2 C18.2 C19.2 C20.2 C21.2 C22.2 C23.2 C24.2 C25.2 C26.2 C27.2 C38.2 C39.2 C63.1 C64.1 D1.1 Q3.2 R7.2 R8.1 R9.1 R20.1 R21.2 R27.2 R44.2 R47.2 U1.1 U1.3 U1.9 U1.14 U1.27 U1.43 U1.49 U2.17 U2.30 U2.39 U2.52 U2.62 U2.72 U2.84 U2.95 U2.108 U2.121 U2.131 U2.144 U12.5 U17.3 U17.7 U17.8 U18.8 | length 4079.7
  Top Layer w10: R47.2@1762.6,4305 1783.19,4284.41 1783.19,4248.54 1800,4231.73 v1(1800,4230) 1830.04,4199.96 C64.1@1830.04,4170 1847.87,4152.17 1847.87,4141.77 1937.4,4052.24 D1.1@1937.4,4051.26 1958.74,4051.26 v1(2000,4010) 2001.91,4011.91 2022.86,4011.91 2087.6,4076.65 R20.1@2087.6,4080 ; v1(1795,3125) 1815,3145 R7.2@1859.68,3145 ; v1(1795,3245) 1810,3230 C17.2@1859.68,3230 ; v1(1865,3000) 1865,3003.7 1920.31,3059.02 R9.1@1920.31,3060 ; C16.2@1920.32,3580 1920.32,3579.02 1941.48,3557.85 v1(1943.33,3557.85) ; v1(1990,2950) 1991.5,2950 1996.5,2945 C18.2@2039.68,2945 ; v1(2036.9,3550.46) 2037.48,3549.87 2069.28,3549.87 2069.63,3549.53 U2.17@2099.65,3549.53 ; U2.30@2099.65,3293.62 2099.99,3293.97 2163.97,3293.97 v1(2165,3295) ; v1(2159.76,3989.76) 2159.76,3987.06 2170.17,3976.65 2170.17,3935.7 U2.144@2170.51,3935.35 ; U18.8@2174.41,4470 2174.41,4484.41 v1(2190,4500) ; U2.39@2209.88,3104.65 2209.88,3174.88 v1(2210,3175) ; C20.2@2273.31,2945 2314.19,2945 2319.51,2939.68 v1(2322.22,2939.68) ; v1(2330,2368.71) 2330,2386.14 2333.86,2390 U17.3@2338.5,2390 ; v1(2369.11,4145.4) 2379.28,4145.4 C27.2@2405,4119.68 ; v1(2390,4530) v1(2390,4530) R44.2@2390.04,4465 ; v1(2423.92,3985.74) 2423.92,3983.04 2426.42,3980.54 U2.131@2426.42,3935.35 ; v1(2443.15,3164.26) 2465.44,3141.97 2465.44,3135.01 2465.79,3134.66 U2.52@2465.79,3104.65 ; C63.1@2485.04,2140 v1(2540,2140) ; C26.2@2499.68,4090 2499.68,4165.6 v1(2511.06,4176.97) ; C19.2@2619.31,2945 2632.62,2931.69 2632.62,2905.48 2640.87,2897.23 v1(2640.87,2894.52) ; U2.121@2623.27,3935.35 2623.27,4023.27 v1(2625,4025) 2626.91,4026.91 2626.91,4036.24 2669.68,4079.02 C24.2@2669.68,4080 ; U17.7@2651.5,2440 2652.98,2440 2656.84,2443.86 v1(2656.84,2461.84) ; U17.8@2651.5,2490 2651.5,2466.21 v1@2655,2462.71 ; v1(2661.3,3184.23) 2662.8,3182.73 2662.8,3135.01 2662.64,3134.84 U2.62@2662.64,3104.65 ; v1(2833.73,3404.23) 2835.56,3406.06 2865.2,3406.06 2879.22,3392.05 U2.84@2930.35,3392.05 ; U2.72@2859.49,3104.65 2859.49,3065.51 2871.17,3053.83 v3(2874.79,3039.99) ; v1(2865,3625) 2867.71,3625 2883.71,3609 U2.95@2929.94,3609 ; C21.2@2904.68,2945 2904.68,2982.19 v1(2910,3000) ; C25.2@2929.68,4060 2930,4059.68 v1(2930,3960) 2928.09,3958.09 2908.09,3958.09 2890,3940 2890,3885 2910.51,3864.49 U2.108@2930.35,3864.49 ; C22.2@3060,3385.32 3060.32,3385 3118.15,3385 v1(3120,3386.85) ; C23.2@3060,3615.31 3110.31,3615.31 v1(3115,3620) ; U1.27@3161.1,2610 3161.4,2610.3 3161.4,2676.47 v1(3161.7,2676.77) ; C9.2@3410,2804.68 3410,2770.85 v1(3423.89,2756.96) ; R8.1@3515,2865.31 3515,2895 v1(3540,2920) ; v1(3567.03,2543.92) 3570.55,2547.45 U1.14@3570.55,2610 ; v1(3605,2750) 3618,2763 C10.2@3618,2804.68 ; v1(3630,1820) 3630,1889.68 C7.2@3630.32,1890 ; v1(3633.48,2070.51) 3633.54,2070.57 U1.43@3633.54,2137.56 ; C11.2@3722,2804.68 v1(3774.71,2804.68) ; v1(3727.47,2667.47) 3727.75,2667.19 3727.75,2610.28 U1.9@3728.03,2610 ; U12.5@3755,3160 3770,3160 3808.09,3121.91 3808.09,3111.91 v1(3810,3110) ; v1(3810,1825) 3810.32,1825.32 C8.2@3810.32,1890 ; U1.49@3822.52,2137.56 3822.52,2067.48 v1(3825,2065) ; C12.2@3826,2804.68 3839.31,2791.38 3870.92,2791.38 3877.29,2785 v1(3880,2785) ; v1(3915,2555) 3917.01,2557.01 U1.3@3917.01,2610 ; C13.2@3930,2804.68 3995.32,2870 v1(4010,2870) 4011.91,2871.91 4011.91,2885.77 4085.04,2958.9 C38.2@4085.04,2965 ; U1.1@3980,2610 3980,2665 v1(3985,2670) ; Q3.2@4002.4,4815.71 4002.4,4795.44 v1(4025.85,4771.99) ; C39.2@4085.32,3085 4085.32,3074.68 v1(4125,3035) ; v1(4335,4870) 4370,4905 R27.2@4390,4905 ; R21.2@4620,4960.32 4664.68,4960.32 v1(4690,4935)
VCC-2: C4.2 C30.1 C31.2 C48.1 C56.2 C61.2 C73.1 L2.1 Q1.3 R2.2 R3.2 R4.2 R5.2 R6.2 R26.1 R49.1 R51.1 R54.2 TF1.4 TFTLCD1.24 TFTLCD1.25 U6.2 U6.4 U14.9 U19.3@4135,128.41 U19.4@4235,128.41 U23.7 U23.8 | length 2109.3
  Top Layer w6: v1(1455,2600) 1458.79,2600 1466.19,2592.6 R26.1@1505,2592.6
  Top Layer w10: v4(2640,1750) 2640,1704.93 2734.84,1610.09 U14.9@2734.84,1567.72
  Top Layer w15: v4(1615,2780) 1635.79,2800.79 Q1.3@1660,2800.79 ; v4(2380,4870) 2405.05,4895.05 2415.05,4895.05 2442.4,4922.4 R2.2@2442.4,5045 R6.2@2442.4,5160 ; C56.2@2591.67,1754.69 2635.31,1754.69 v4(2640,1750) ; C30.1@3345,3240 3345,3234.39 3402.47,3176.91 3413.09,3176.91 v4(3415,3175) ; v4(3635,3425) 3635,3490.09 U6.4@3605.06,3520.03 U6.2@3845.06,3520.03 ; v4(4145,1690) 4165.04,1710.04 C48.1@4165.04,1760
  Top Layer w20: U19.3@4135,128.41 U19.4@4235,128.41
  GND w15: v4(2640,1750) 2640,1835 v4(2645,1840)
  PWR w6: v1(1455,2600) v1@1457.68,2602.68
  PWR w15: v1@1457.68,2602.68 1457.68,2622.68 v4(1615,2780) ; v4(3415,3175) 3633.09,3393.09 3633.09,3423.09 v4(3635,3425)
  Bottom Layer w15: v4(2380,4870) 2382.71,4870 2411.36,4841.35 2411.45,4841.35 2438.78,4814.02 TF1.4@2438.78,4792.36
VCC-5: C2.2 C29.2 C50.1 C76.1 F1.1 K1.2 TFTLCD1.28 U3.9 U3.10 U6.3 U19.1@3935,128.41 U25.4 | length 11817.5
  Top Layer w15: C50.1@3909.96,1760 C50.1@3909.96,1760 v1(3910,1835)
  Top Layer w20: C76.1@661.34,2490 v3(730,2490) ; U3.9@1408.08,4373.78 1436.55,4345.31 1436.55,4316.02 1508.08,4244.48 U3.10@1508.08,4373.78 ; v3(1470,4215) 1490.06,4235.06 C2.2@1517.5,4235.06 ; v3(3815,3705) 3815,3640.82 3835.79,3620.03 U6.3@3845.06,3620.03 4004.99,3620.03 C29.2@4014.96,3630 4014.96,3623.9 4027.8,3611.06 4030.64,3611.06 4042.35,3599.35 4042.35,3592.84 4064.01,3571.18 4138.28,3571.18 4150,3559.47 4150,3494.63 4127.72,3472.36 4127.72,3459.84 4116.1,3448.21 4103.58,3448.21 v1(4082.09,3426.72) 4056.72,3426.72 4022.87,3392.87 4022.87,3379.59 F1.1@4007.28,3364
  PWR w15: v1(3910,1835) 3937.5,1862.5 3976.06,1862.5 3994.87,1843.7 4381.88,1843.7 ; U19.1@3935,128.41 4455,648.41 4455,1575 4381.88,1648.12 4381.88,1843.7 ; TFTLCD1.28@4630,3435 4585,3390 4344.72,3390 4308,3426.72 v1(4082.09,3426.72) 4381.88,3126.93 4381.88,1843.7
  PWR w20: v3(730,2490) 736.49,2490 901.49,2655 U25.4@910,2655 1191.28,2936.28 1191.28,3284.72 1195.62,3289.06 1195.62,3940.62 v3(1470,4215) 1904.72,4649.72 2214.72,4649.72 2425.38,4860.38 2935.38,4860.38 K1.2@3165,5090 3225,5030 3225,4970.65 3555.55,4640.11 3581.5,4640.11 3912.04,4309.56 3912.04,4267.04 3810,4165 3810,3938.85 3815,3933.85 v3(3815,3705)
VCC-24: C40.1 P1.5 U13.4 | length 935.2
  Top Layer w15: C40.1@664.96,510 664.96,370.04 P1.5@700,335
  PWR w15: P1.5@676.94,311.94 1130,765 U13.4@1235,765
VCC-E: C57.2 C58.2 C62.2 C65.2 EARTHNET1.4 EARTHNET1.5 L2.2 R29.2 R30.2 R31.2 R33.2 U14.1 U14.19 | length 3923.1
  Top Layer w10: R30.2@2270,970.12 R30.2@2270.98,970.12 ; v1(2297.06,925.23) 2295.15,927.14 2295.15,944.97 2284.29,955.83 2284.29,956.81 R30.2@2270.98,970.12 ; v1(2325,1045) 2323.09,1043.09 2323.09,1022.22 R30.2@2270.98,970.12 ; v1(2460.71,917.2) 2462.62,919.11 2474.11,919.11 2480,925 2480,960.02 R29.2@2490.1,970.12 2491.09,970.12 2621.2,840 v1(2710,840) ; v1(2485,1150) 2485,1209.68 C58.2@2485.32,1210 2485.32,1210.98 2627.17,1352.83 ; v1(2655,1345) 2653.09,1346.91 2633.09,1346.91 2627.17,1352.83 ; EARTHNET1.4@2659.8,800 2670,800 v1(2710,840) ; U14.19@2675.71,1391.53 2665.86,1391.53 2627.17,1352.83 ; EARTHNET1.5@2709.8,700 2754.14,715.86 2760,721.72 v1(2760,730) 2765.86,732.41 2795.26,742.43 cw(c2809.8,700) 2821.78,743.22 2823.06,743.22 2823.79,743.22 2881.72,751.72 2896,766 2905,775 2905,864.23 2916.01,926.93 2916.01,956.81 R31.2@2930.3,970.12 ; R33.2@2710.2,970.12 2710,969.92 v1(2710,840) ; U14.1@2805.97,1434.03 v1(2845,1395) ; C57.2@3354.68,980 3341.38,966.69 3341.38,815.92 3284.96,759.5 C65.2@3284.96,620 3284.96,484.72 C62.2@3289.68,480 3289.68,479.02 3371.79,396.91 3393.09,396.91 v1(3395,395) 3393.09,393.09 3393.09,376.35 3357.4,340.67 L2.2@3357.4,337.32
  PWR w10: v1(2297.06,925.23) 2305.09,917.2 v1(2460.71,917.2) ; v1(2325,1045) 2430,1150 v1(2485,1150) ; v1(2655,1345) 2815,1345 2843.09,1373.09 2843.09,1393.09 v1(2845,1395) ; v1(2710,840) 2710,779.14 2715.86,773.28 v1(2760,730) 2760,721.72 2765.75,691.59 ccw(c2809.8,700) 2766.32,689.03 2831.61,430.23 ccw(c2909.96,450) 2856.42,389.48 2889.73,360 3120,360 3155,395 v1(3395,395)
pads on no net: BAT1.0 EARTHNET1.7 K1.1 K1.4 K1.5 K1.6 TF1.9 TF1.14 TF1.15 TFTLCD1.0 TFTLCD1.29 TFTLCD1.32 U1.40 U2.1 U2.2 U2.3 U2.4 U2.5 U2.7 U2.22 U2.34 U2.37 U2.69 U2.75 U2.92 U2.96 U2.97 U2.105 U2.109 U2.117 U3.8 U3.13 U3.14 U3.15 U3.16 U3.19 U3.20 U3.27 U8.7 U8.8 U8.11 U8.12 U14.10 U15.9 U15.10 U15.11 U15.12 U15.15 U17.9 U19.0 U19.1@3665,1545 U19.1@3935,1515 U19.2@4035,1515 U19.3@4135,1515 U20.1 U20.4 U21.1 U21.4 U22.1 U22.4 U23.1 U23.4 U24.5 U24.6 U26.1 U26.5 U26.7 U26.8 USB1.4 USB1.6 USB1.7 USB1.8 USB1.9 USB1.MH1 USB1.MH2 Y4.0

## Polygon pours and split planes (outlines as drawn)
GND on GND "Bottom Layer-No Net" (hatched 90Degree grid 5 track 4, remove dead copper, pour order 18): 15,5385 4730,5385 4730,20 4685,65 30,65
AI1- on GND "Bottom Layer-No Net" (hatched 90Degree grid 5 track 4, remove dead copper, pour order 16): 660,2890 615,2935 615,3185 970,3185 1215,3430 1230,3430 1230,3270 1530,2970 1315,2755 1315,1190 1610,895 1610,45 940,45 925,30 765,190 40,190 40,603.32 905,1468.32 905,2090 555,2440 700,2585 700,2985
GND on Bottom Layer "GND_L04_P020" (hatched 90Degree grid 4 track 5, remove dead copper, pour order 20): -5,40 ccw(c45,40) 45,-10 4740,-10 ccw(c4740,40) 4790,40 4790,90 4790,5300 4790,5353.32 ccw(c4740,5353.32) 4740,5403.32 45,5403.32 ccw(c45,5353.32) -5,5353.32
VCC-1 on PWR "Bottom Layer-No Net" (hatched 90Degree grid 4 track 5, remove dead copper, pour order 19): 2140.74,5330 2695,5330 2885,5140 2885,4945 4700,4945 4700,1810 4250,1360 4275,1335 4275,100 3675,100 3650,75 3580,145 3230,145 3230,305 2840,695 2145,695 2145,1135 2180,1170 1425,1925 1425,3506.27
VCC-2 on Top Layer "VCC-2_L01_P017" (hatched 90Degree grid 5 track 4, remove dead copper, pour order 17): -5,40 ccw(c45,40) 45,-10 4740,-10 ccw(c4740,40) 4790,40 4790,90 4790,5300 4790,5353.32 ccw(c4740,5353.32) 4740,5403.32 45,5403.32 ccw(c45,5353.32) -5,5353.32

## Other copper
Top Layer:
  pour cut-out: 28.52,5205 ccw(c80,5205) 80,5153.52 ccw(c80,5205) 131.48,5205 ccw(c80,5205) 80,5256.48 ccw(c80,5205)
  pour cut-out: 28.52,5205 ccw(c80,5205) 80,5153.52 ccw(c80,5205) 131.48,5205 ccw(c80,5205) 80,5256.48 ccw(c80,5205)
  pour cut-out: 4668.52,480 ccw(c4720,480) 4720,428.52 ccw(c4720,480) 4771.48,480 ccw(c4720,480) 4720,531.48 ccw(c4720,480)
  pour cut-out: 4668.52,480 ccw(c4720,480) 4720,428.52 ccw(c4720,480) 4771.48,480 ccw(c4720,480) 4720,531.48 ccw(c4720,480)

## Silkscreen, mask and mechanical layers (free items; w line width, h text height)
Mechanical 1:
  lines w10: -5,40 ccw(c45,40) 45,-10 2892.5,-10 4660,-10 4740,-10 ccw(c4740,40) 4790,40 4790,90 4790,5300 4790,5353.32 ccw(c4740,5353.32) 4740,5403.32 4660,5403.32 190,5403.32 45,5403.32 ccw(c45,5353.32) -5,5353.32 -5,40

## Text inside footprints (layer, text, board x,y; h text height)
TFTLCD1: Top Overlay "CLK" at 4465,3700 h35 r90; Top Overlay "TCS" at 4390,3700 h35 r90; Top Overlay "NC" at 4465,3615 h35 r90; Top Overlay "PEN" at 4390,3590 h35 r90; Top Overlay "MO" at 4465,3515 h35 r90; Top Overlay "MI" at 4390,3520 h35 r90; Top Overlay "V5" at 4465,3425 h35 r90; Top Overlay "GND" at 4390,3395 h35 r90; Top Overlay "GND" at 4465,3315 h35 r90; Top Overlay "VDD" at 4390,3290 h35 r90; Top Overlay "VDD" at 4465,3210 h35 r90; Top Overlay "BL" at 4390,3215 h35 r90; Top Overlay "GND" at 4465,3105 h35 r90; Top Overlay "D15" at 4390,3105 h35 r90; Top Overlay "D14" at 4465,3005 h35 r90; Top Overlay "D13" at 4390,3000 h35 r90; Top Overlay "D12" at 4465,2900 h35 r90; Top Overlay "D11" at 4390,2900 h35 r90; Top Overlay "D10" at 4465,2795 h35 r90; Top Overlay "D9" at 4390,2810 h35 r90; Top Overlay "D8" at 4465,2715 h35 r90; Top Overlay "D7" at 4390,2715 h35 r90; Top Overlay "D6" at 4465,2620 h35 r90; Top Overlay "D5" at 4390,2620 h35 r90; Top Overlay "D4" at 4465,2515 h35 r90; Top Overlay "D3" at 4390,2515 h35 r90; Top Overlay "D2" at 4465,2415 h35 r90; Top Overlay "D1" at 4390,2420 h35 r90; Top Overlay "RST" at 4390,2300 h35 r90; Top Overlay "D0" at 4465,2315 h35 r90; Top Overlay "WR" at 4390,2215 h35 r90; Top Overlay "RD" at 4465,2215 h35 r90; Top Overlay "RS" at 4465,2110 h35 r90; Top Overlay "CS" at 4390,2105 h35 r90; Bottom Overlay "BL" at 4440,3225 h28 r270; Bottom Overlay "MISO" at 4440,3490 h28.03 r270; Bottom Overlay "TCS" at 4440,3705 h28.03 r270; Bottom Overlay "MO" at 4691.42,3622.28 h28.03 r270; Bottom Overlay "MOSI" at 4691.42,3494.33 h28.03 r270; Bottom Overlay "CLK" at 4691.42,3701.02 h28.03 r270; Bottom Overlay "PEN" at 4440,3605 h28.03 r270; Bottom Overlay "D11" at 4440,2910 h28 r270; Bottom Overlay "GND" at 4440,3400 h28 r270; Bottom Overlay "GND" at 4691.42,3105.55 h28 r270; Bottom Overlay "RD" at 4691.42,2219.72 h28 r270; Bottom Overlay "D0" at 4691.42,2323.07 h28 r270; Bottom Overlay "D10" at 4691.42,2805.35 h28 r270; Bottom Overlay "VDD" at 4691.42,3203.98 h28 r270; Bottom Overlay "GND" at 4691.42,3302.4 h28 r270; Bottom Overlay "V5" at 4691.42,3405.75 h28 r270; Bottom Overlay "VDD" at 4440,3305 h28 r270; Bottom Overlay "D15" at 4440,3110 h28 r270; Bottom Overlay "D12" at 4691.42,2908.7 h28 r270; Bottom Overlay "D13" at 4435.51,3007.13 h28 r270; Bottom Overlay "D9" at 4440,2815 h28 r270; Bottom Overlay "D8" at 4691.42,2706.93 h28 r270; Bottom Overlay "D6" at 4691.42,2623.27 h28 r270; Bottom Overlay "D5" at 4440,2620 h28 r270; Bottom Overlay "D4" at 4691.42,2519.92 h28 r270; Bottom Overlay "D3" at 4440,2520 h28 r270; Bottom Overlay "D2" at 4691.42,2421.5 h28 r270; Bottom Overlay "D1" at 4440,2425 h28 r270; Bottom Overlay "RST" at 4440,2305 h28 r270; Bottom Overlay "WR" at 4440,2220 h28 r270; Bottom Overlay "CS" at 4440,2120 h28 r270; Bottom Overlay "RS" at 4691.42,2121.3 h28 r270; Bottom Overlay "D7" at 4440,2715 h28 r270; Bottom Overlay "D14" at 4691.42,3007.13 h28 r270
U19: Top Overlay "DRX" at 3890,1580 h30; Top Overlay "DTX" at 4000,1580 h30; Top Overlay "RST" at 4295,35 h30; Top Overlay "RI" at 4115,1580 h30; Top Overlay "RXD" at 4295,1585 h30; Top Overlay "TXD" at 4195,1585 h30; Top Overlay "GND" at 3995,35 h30; Top Overlay "VIN" at 3890,30 h30; Top Overlay "3V3" at 4190,35 h30; Top Overlay "PWR" at 4095,35 h30